# Allegro board RK_EVB1_RK3576_LP4XD200P132SD6_V12_20240530YWQ.brd (continued)
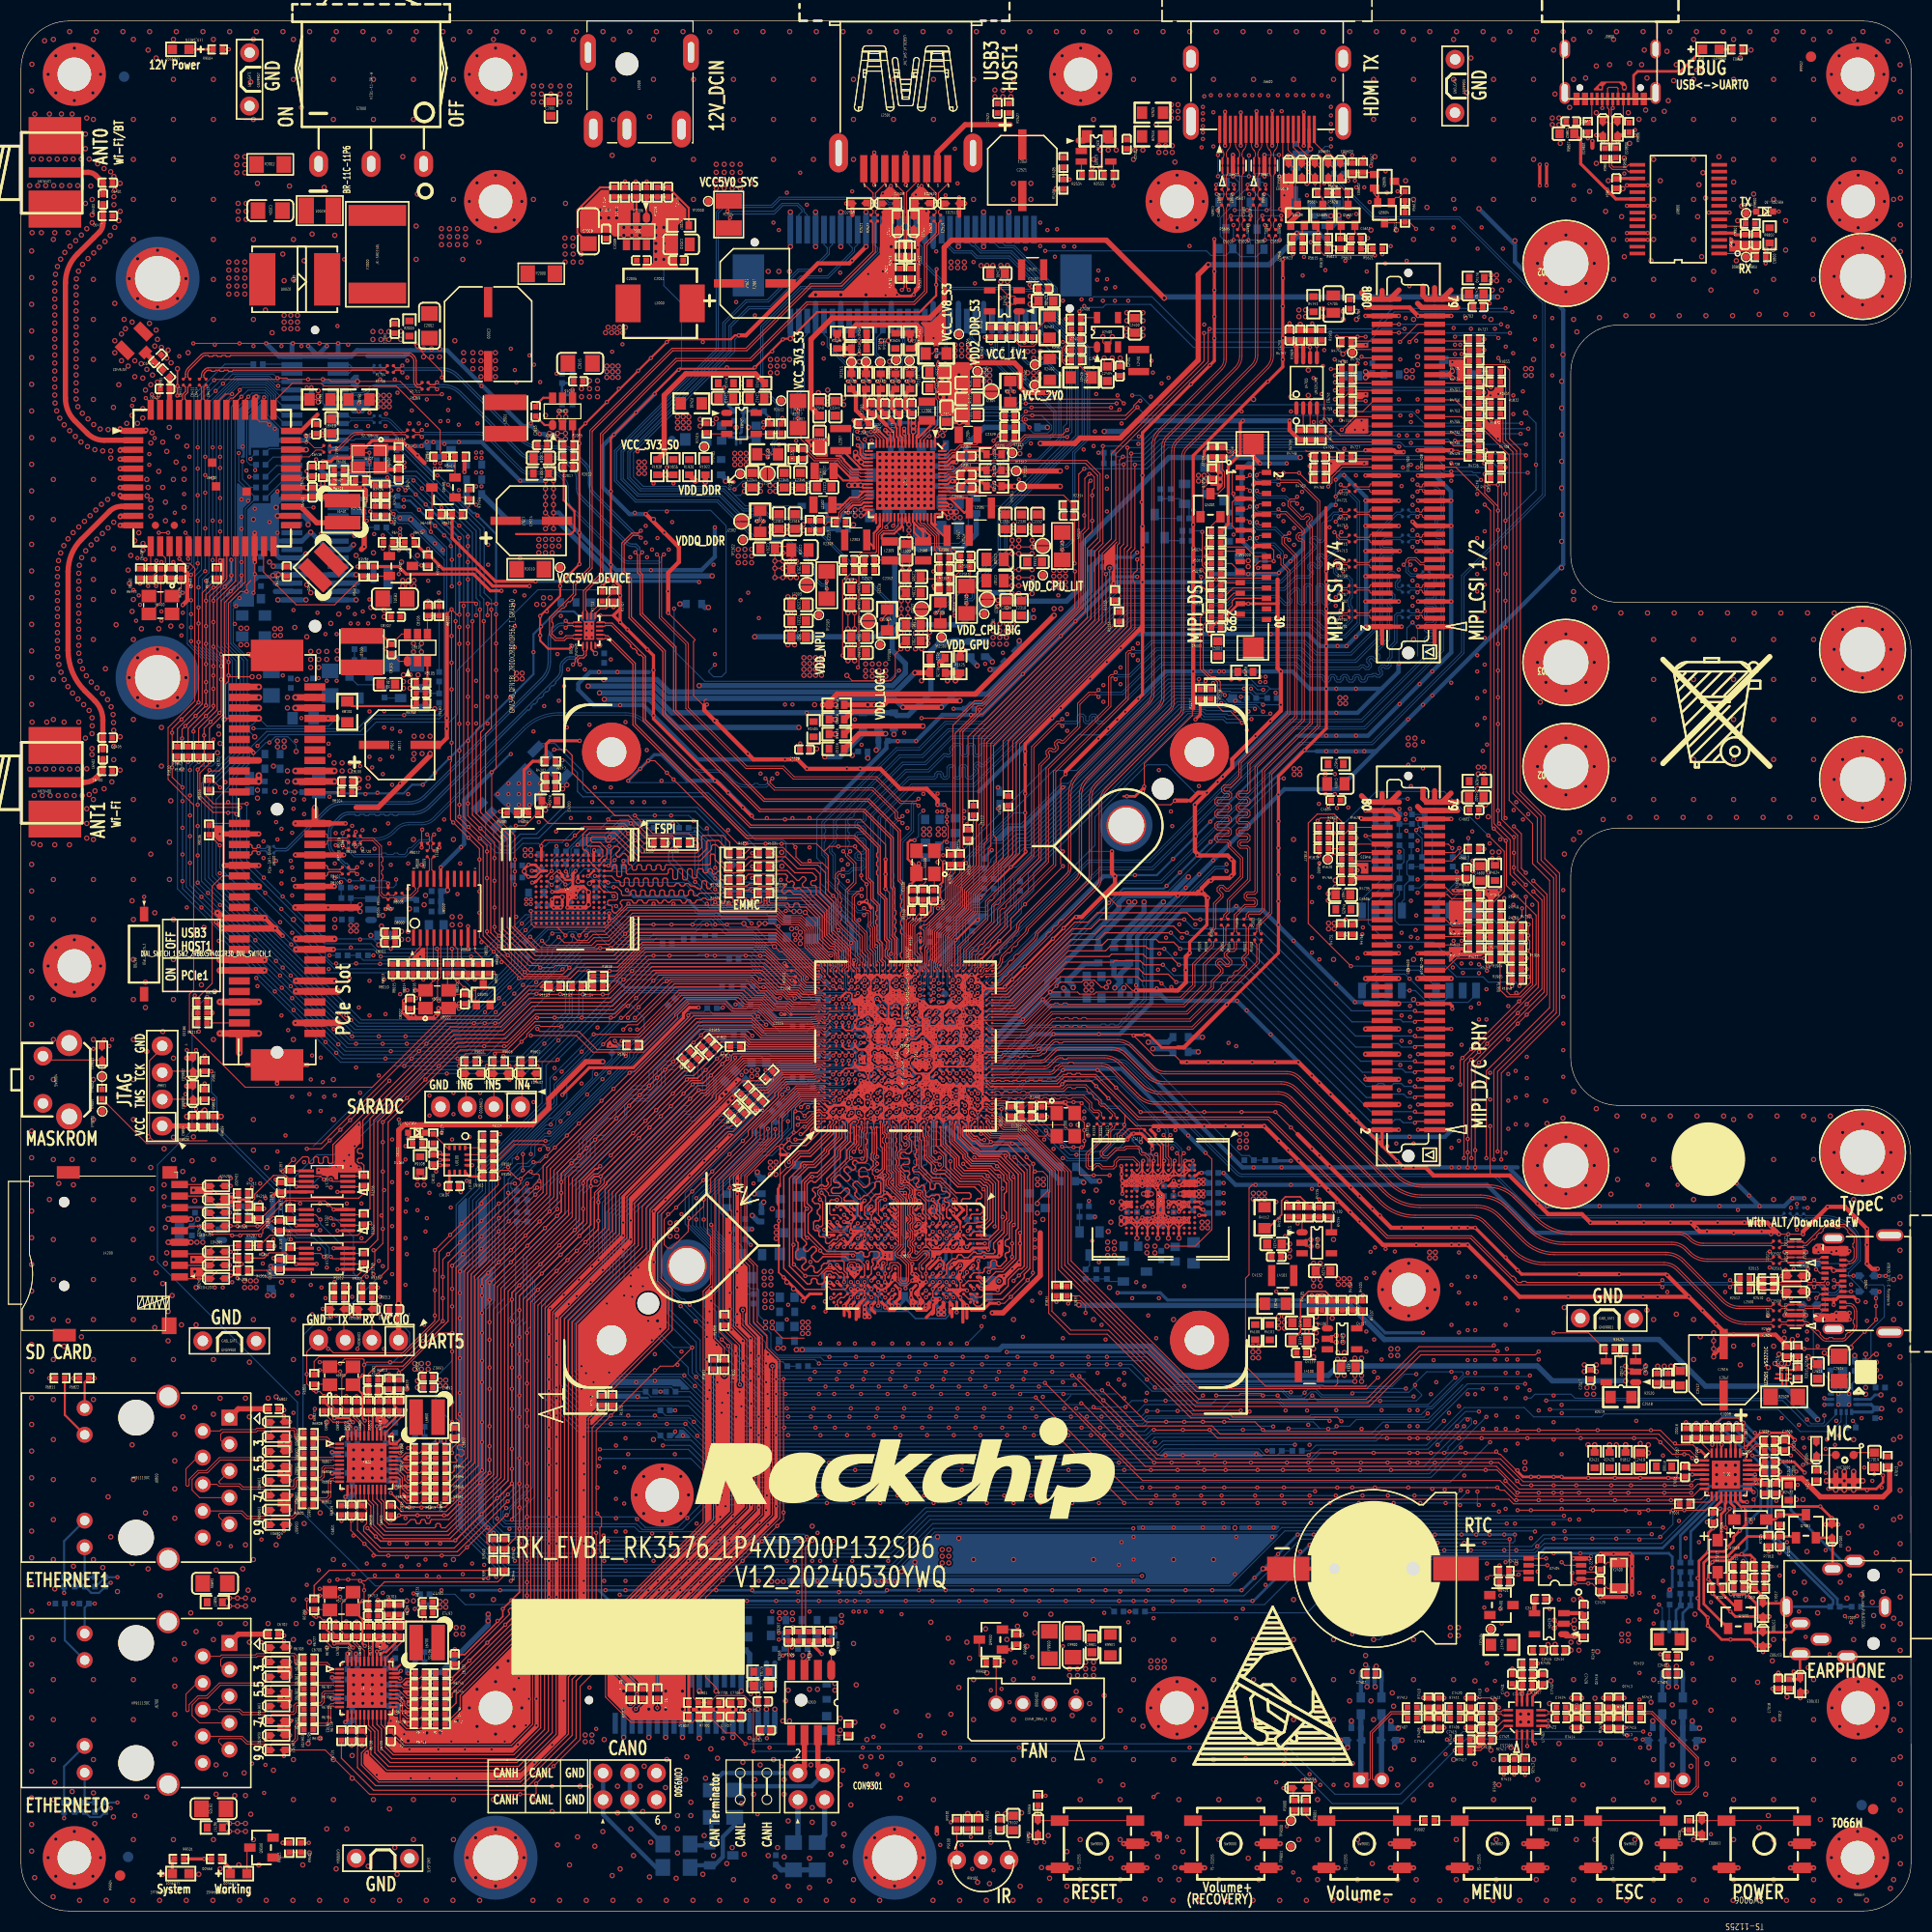
[diagram p0: board, top side]
## Routing (per net, layer and track width the routed paths; a pad name or vN(x,y) marks a point on that pad's centre or on a via; arc(x,y) is an arc through that point) (continued)
USB3_OTG0_SSTX1P/DP_TX_D1P: length 83.9
  TOP w0.098: C2509.1 166.71,57.37 163.66,57.37 arc(162.78,57.55) 162.03,58.04 158.23,61.85 arc(157.49,62.34) 156.63,62.51 146.03,62.51 arc(144.43,62.83) 143.08,63.73 140.66,66.15 arc(139.71,66.78) 138.6,67 133.23,67 arc(131.35,67.38) 129.75,68.44 120.86,77.33 arc(120.35,77.68) 119.74,77.8 108.5,77.8 arc(107.53,77.99) 106.71,78.54 106.51,78.74 104.58,80.67 arc(103.93,81.1) 103.16,81.25 99.72,81.25 99.6,81.14 99.3,81.14 99.18,81.25 98.97,81.25 arc(98.82,81.23) 98.7,81.14 97.99,80.43 arc(97.75,80.27) 97.47,80.22 92.54,80.22 U1000.AL11
USB3_OTG0_SSTX2N/DP_TX_D3N: length 83
  TOP w0.098: U1000.AK13 92.22,81.54 92.69,81.54 92.75,81.48 93.39,81.48 93.56,81.66 96.88,81.66 arc(96.98,81.68) 97.07,81.73 98.21,82.88 arc(98.35,82.97) 98.52,83 104.47,83 arc(105.23,82.85) 105.88,82.42 107.91,80.38 arc(108.39,80.06) 108.96,79.95 120.55,79.95 arc(121.23,79.82) 121.81,79.43 131.09,70.16 arc(132.19,69.42) 133.5,69.16 139.74,69.16 arc(141.15,68.88) 142.34,68.08 144.31,66.11 144.45,65.97 arc(145.9,65) 147.61,64.66 157.81,64.66 arc(158.41,64.54) 158.91,64.2 159.04,64.08 arc(159.58,63.72) 160.21,63.59 166.71,63.59 C2510.1
USB3_OTG0_SSTX2P/DP_TX_D3P: length 82.8
  TOP w0.098: U1000.AL13 92.5,81.26 93.48,81.26 93.66,81.43 94.11,81.43 94.22,81.32 94.53,81.32 94.64,81.43 94.95,81.43 95.07,81.32 95.37,81.32 95.49,81.43 95.79,81.43 95.91,81.32 96.21,81.32 96.33,81.43 96.88,81.43 arc(97.07,81.47) 97.23,81.57 97.3,81.65 97.47,81.65 97.68,81.86 97.68,82.03 98.37,82.72 arc(98.44,82.76) 98.52,82.78 98.74,82.78 98.85,82.66 99.16,82.66 99.27,82.78 104.47,82.78 arc(105.15,82.64) 105.72,82.26 107.75,80.23 arc(108.31,79.86) 108.96,79.73 120.55,79.73 arc(121.15,79.61) 121.66,79.27 130.93,70 arc(132.11,69.21) 133.5,68.93 139.74,68.93 arc(141.07,68.67) 142.19,67.92 144.15,65.95 144.3,65.81 arc(145.82,64.79) 147.61,64.44 157.81,64.44 arc(158.32,64.34) 158.76,64.05 158.88,63.92 arc(159.49,63.51) 160.21,63.37 166.71,63.37 C2511.1
USB3_PCIE1_SLOT_SEL: length 67.4
  TOP w0.102: v1(56.43,126.15) R1707.2 55.88,125.09 55.88,124.19 55.72,124.02 55.16,124.02 54.71,123.57 U1700.6 ; S1700.1 v1(11.72,96.59)
  L4-SIG w0.102: v1(11.72,96.59) 11.72,100.91 21.78,110.97 v1(22.52,110.97)
  BOTTOM w0.102: v1(56.43,126.15) 56.11,125.83 49.22,125.83 41.57,118.18 41.57,113.99 40.81,113.23 33.82,113.23 32.63,112.03 23.58,112.03 v1(22.52,110.97)
USB20_HOST_DM: length 8.5
  TOP w0.107: J2501.2 85.26,164.61 84.34,163.69 84.34,160.76 84.92,160.17 ; 84.92,160.17 ED2513.1 ; 84.92,160.17 84.45,160.17 84.34,160.06 84.34,159.24 84.5,159.07 L2501.3
USB20_HOST_DP: length 8.4
  TOP w0.107: 83.56,160.17 84.01,160.17 84.11,160.06 84.11,159.24 83.95,159.07 L2501.1 ; 83.56,160.17 ED2512.1 ; 83.56,160.17 84.11,160.73 84.11,163.65 83.26,164.5 J2501.3
USB30_HOST_SSRXN: length 5.8
  TOP w0.107: J2501.5 80.26,164.49 81.15,163.6 81.15,162.75 81.04,162.65 ED2509.1 81.15,161.93 81.15,161.71 R2521.2
USB30_HOST_SSRXP: length 5.8
  TOP w0.107: R2522.2 81.37,161.71 81.37,161.89 ED2508.1 82.09,162.65 81.48,162.65 81.37,162.75 81.37,163.6 82.26,164.49 J2501.6
USB30_HOST_SSTXN: length 5.8
  TOP w0.107: C2519.2 87.15,161.71 87.15,161.93 ED2510.1 87.04,162.65 87.15,162.75 87.15,163.6 86.26,164.49 J2501.8
USB30_HOST_SSTXP: length 5.8
  TOP w0.107: J2501.9 88.26,164.49 87.37,163.6 87.37,162.75 87.48,162.65 88.09,162.65 ED2511.1 87.37,161.89 87.37,161.71 C2520.2
USB_OTG0_PWREN_H: length 174.6
  TOP w0.102: U2502.4 150.98,53.38 R2523.1 149.29,55.06 v1(145.96,55.06) ; R1137.2 94.02,111.46 105.07,122.51 105.07,129.73 105.37,130.03 v1(105.37,139.37)
  L4-SIG w0.102: v1(142.82,140.69) 143.68,139.83 143.68,138.25 143.15,137.72 143.15,107.41 145.84,104.72 145.84,78.4 151.12,73.12 151.12,69.38 145.96,64.23 v1(145.96,55.06)
  BOTTOM w0.102: v1(142.82,140.69) 136.92,140.69 136.72,140.89 128.18,140.89 127.99,140.71 125.32,140.71 125.14,140.89 108.17,140.89 106.64,139.37 v1(105.37,139.37)
USBCC_INT_L: length 1.5
  BOTTOM w0.102: R1115.2 173.83,46.41 173.84,46.42 U2500.5
VIDEOIN_RESERVE_IO0: length 3
  TOP w0.102: R4765.2 127.3,94.4 CON4600.52
VIDEOIN_RESERVE_IO1: length 3
  TOP w0.102: R4766.2 126.84,100 CON4600.66
VMID_ES8388: length 1.8
  TOP w0.254: U7000.20 165.74,42.46 C7011.1
VREF_ES8388: length 1.9
  TOP w0.254: C7009.1 161.15,38.25 161.93,39.02 U7000.10
WIFI_PCIE0_REFCLKN: length 8.2
  TOP w0.089: R1714.2 36.6,140.61 32.04,140.61 arc(31.76,140.55) 31.53,140.4 31.23,140.1 30.27,139.14 29.6,139.14 C6417.2
WIFI_PCIE0_REFCLKP: length 8.2
  TOP w0.089: C6416.2 29.6,139.36 30.17,139.36 31.08,140.26 31.37,140.55 arc(31.68,140.76) 32.04,140.83 36.61,140.83 R1716.2
WIFI_PCIE0_RXN: length 26.7
  TOP w0.117: R1709.2 38.02,145.13 37.73,145.13 37.56,145.29 arc(37.45,145.46) 37.41,145.66 37.41,147.63 arc(37.38,147.79) 37.28,147.93 37.16,148.06 arc(37.05,148.13) 36.93,148.15 19.98,148.15 19.87,148.05 19.57,148.05 19.46,148.15 19.16,148.15 19.05,148.05 18.75,148.05 18.64,148.15 18.33,148.15 18.23,148.05 17.92,148.05 17.82,148.15 17.57,148.15 arc(17.43,148.13) 17.31,148.05 16.07,146.81 arc(15.94,146.61) 15.89,146.38 15.89,146.09 C6412.2
WIFI_PCIE0_RXP: length 26.8
  TOP w0.117: R1711.2 37.99,145.35 37.82,145.35 37.72,145.45 arc(37.66,145.55) 37.63,145.66 37.63,147.63 arc(37.58,147.88) 37.44,148.09 37.32,148.22 arc(37.14,148.34) 36.93,148.38 17.57,148.38 arc(17.34,148.33) 17.15,148.2 15.91,146.97 arc(15.73,146.7) 15.67,146.38 15.67,146.09 C6411.2
WIFI_PCIE0_TXN: length 18.6
  TOP w0.117: C6414.2 17.41,146.09 17.41,146.27 arc(17.44,146.4) 17.51,146.51 17.69,146.69 arc(17.75,146.73) 17.82,146.74 18.05,146.74 18.15,146.64 18.46,146.64 18.57,146.74 18.87,146.74 18.98,146.64 19.28,146.64 19.39,146.74 19.69,146.74 19.8,146.64 20.1,146.64 20.21,146.74 34.7,146.74 R1706.2
WIFI_PCIE0_TXP: length 18.7
  TOP w0.117: R1704.2 34.7,146.97 17.82,146.97 arc(17.66,146.94) 17.53,146.85 17.35,146.67 arc(17.23,146.49) 17.19,146.27 17.19,146.09 C6413.2
WIFI_REG_ON_H: length 107.6
  TOP w0.102: R1818.2 54,88.51 49.62,88.51 49.19,88.08 48.28,88.08 45.43,85.23 40.24,85.23 33.46,78.46 21.35,78.46 16.04,83.76 16.04,87.32 16.45,87.72 16.45,105.33 14.01,107.77 14.01,112.7 16.55,115.24 16.55,127.88 16.08,128.34 15.52,128.34 v1(15.08,128.78) 15.08,129.94 U6400.15
  L4-SIG w0.102: v1(21.86,138.29) 21.86,138.26 15.08,131.49 v1(15.08,128.78)
  BOTTOM w0.102: v1(21.86,138.29) 21.86,138.35 R6521.1
WIFI_WAKE_HOST_H: length 185.9
  TOP w0.102: U6400.16 15.95,128.81 v1(15.92,128.78)
  L4-SIG w0.102: v1(116.48,116.42) 115.73,117.16 115.73,121.97 111.29,126.42 111.29,134.32 110.3,135.31 110.3,145.51 105.93,149.88 105.93,153.7 98.48,161.15 69.14,161.15 57.55,149.56 42.66,149.56 39.98,146.88 38.65,146.88 36.52,144.75 36.52,141.77 34.52,139.77 23.83,139.77 21.82,137.76 21.82,136.66 v1(21.74,136.59) 15.92,130.77 v1(15.92,128.78)
  BOTTOM w0.102: v1(116.48,116.42) 114.1,116.42 113.78,116.1 109.75,116.1 95.83,102.18 94.87,102.18 92.64,99.95 R1118.2 ; v1(21.74,136.59) R6519.1
WIFIBT_32KIN_2T2R: length 5.3
  TOP w0.102: U6400.31 27.09,136.47 27.28,136.65 C6421.1 R6406.1 29.15,136.25 R6405.2 R6403.2
XIN_24M: length 12.7
  TOP w0.089: Y1100.3 86.15,100.11 86.15,97.99 85.89,97.73 85.64,97.73 85.38,97.48 85.38,96.75 C1101.1
  TOP w0.102: C1101.1 R1101.2 84.95,94.5 84.52,94.07 84.52,89.84 84.79,89.56 U1000.U28
XIN_WIFI: length 7.3
  TOP w0.102: U6400.13 13.25,129.35 13.76,128.85 13.76,127.37 C6408.1 13.32,124.68 Y6400.3
XOUT_24M: length 6.8
  TOP w0.089: R1100.2 85.85,96.23 R1101.1
  TOP w0.102: R1101.1 85.26,94.69 85.26,94.53 84.72,94 84.72,90.14 U1000.U29
XOUT_WIFI: length 2.2
  TOP w0.102: R6400.2 14.15,127.97 U6400.14
ZQ_A: length 1
  TOP w0.114: U1000.1R6 v1(85.16,77.88)
  BOTTOM w0.089: R1200.2 85.38,77.88 v1(85.16,77.88)
ZQ_B: length 0.9
  TOP w0.114: U1000.1J6 v1(81.59,77.91)
  BOTTOM w0.089: R1201.1 81.61,77.93 v1(81.59,77.91)
N15661080: length 2.4
  BOTTOM w0.305: C2361.2 D2301.2 76.76,132.53 R2330.1
N15663308: length 2.3
  TOP w0.102: U2300.16 81.79,140.23 81.16,140.86 v1(80.95,140.86)
  BOTTOM w0.102: v1(80.95,140.86) 80.95,141.08 TP2318.1
N16483578: length 1.2
  BOTTOM w0.254: R7401.1 129.33,31.13 C7400.2
N16483700: length 1.2
  BOTTOM w0.254: C7404.2 R7402.1
N16485789: length 1.2
  BOTTOM w0.254: C7407.2 158.03,31.13 R7403.1
N16485911: length 1.2
  BOTTOM w0.254: R7404.1 159.02,31.13 C7411.2
N16706292: length 4.1
  BOTTOM w0.102: R5023.1 111.25,133.59 Q5000.1 110.33,134.51 C5007.2 R5020.2
N16706432: length 2.5
  BOTTOM w0.102: Q5002.3 108.34,132.63 R5023.2
N16706484: length 2.7
  BOTTOM w0.102: Q5002.1 109.22,130.5 R5027.1 110.6,130.51 R5025.2
N17044498: length 6.1
  TOP w0.508: C6403.1 C6401.1 7.14,165.28 arc(6.8,165.51) 6.4,165.59 ANT6401.1
N17044505: length 28.4
  TOP w0.508: C6403.2 C6410.1 7.81,160.73 arc(7.72,160.28) 7.47,159.9 6.96,159.39 5.37,157.81 arc(4.53,156.54) 4.23,155.05 4.23,144.08 arc(4.46,142.92) 5.12,141.93 6.33,140.72 arc(7.05,140.24) 7.91,140.07 U6400.2
N17060459: length 2.5
  TOP w0.102: J9800.A5 152.6,170.87 R9806.2
N17060477: length 2.4
  TOP w0.102: R9807.2 149.6,170.69 J9800.B5
N17371483: length 1.3
  TOP w0.254: LED9800.2 R9803.1
N17371563: length 4.6
  TOP w0.102: U9800.5 163.98,160.45 R9800.2 164.24,161.63 TP9801.1 164.47,161.85 D9800.1
N17371607: length 3.7
  TOP w0.102: U9800.1 163.96,157.85 TP9800.1 R9801.2
N18403355: length 2.2
  TOP w0.305: R5614.1 v1(124.91,163.62) R5620.1
  BOTTOM w0.406: D5601.2 124.91,163.05 v1(124.91,163.62)
N18403356: length 2.3
  TOP w0.102: Q5605.2 124.43,160.34 R5613.2 R5615.2
N18403367: length 3.6
  TOP w0.102: Q5607.2 127.04,159.9 C5611.2 R5619.2 R5621.2
N18403519: length 2.3
  TOP w0.102: Q5608.2 122.02,160.34 R5622.2 122.02,158.31 R5623.2
N18403564: length 2.4
  TOP w0.102: Q5607.1 125.64,160.45 R5618.2 126.66,159.26 C5611.1
N18403582: length 2.2
  TOP w0.102: R5616.1 R5617.1 128.72,165.57 Q5606.1
N18403585: length 3.2
  TOP w0.102: Q5606.3 130.91,164.73 131.32,164.32 131.32,164.26 R5612.2 131.24,163.19 130.92,163.19 130.51,162.78 Q5604.1
N18428860: length 4.1
  TOP w0.102: R5601.2 118.22,161.12 v1(118.22,161.45) ; v1(120.02,161.45) 120.02,161.07 R5600.2
  BOTTOM w0.102: Q5600.3 117.73,160.95 v1(118.22,161.45) v1(120.02,161.45)
N18429284: length 2.8
  TOP w0.102: v1(113.82,164.39) 113.8,164.37 R5603.2 ; R5602.2 115.54,164.37 v1(115.52,164.39)
  BOTTOM w0.102: v1(115.52,164.39) 115.27,164.64 Q5601.3 114.07,164.64 v1(113.82,164.39)
N18429290: length 4.1
  TOP w0.102: R5604.2 117.11,161.11 v1(117.11,161.43) ; R5605.2 115.23,161.12 v1(115.23,161.43)
  BOTTOM w0.102: v1(117.11,161.43) v1(115.23,161.43) 114.75,160.96 Q5602.3
N18429296: length 2.8
  TOP w0.102: R5606.2 118.55,164.37 v1(118.52,164.4) ; v1(116.83,164.4) 116.8,164.37 R5607.2
  BOTTOM w0.102: v1(118.52,164.4) 118.51,164.4 118.28,164.64 Q5603.3 117.06,164.64 v1(116.83,164.4)
N18483700: length 5.6
  TOP w0.508: U6400.28 26.62,133.77 28.17,132.22 L6401.1
N18483702: length 5.1
  TOP w0.508: L6401.2 30.27,134.67 C6420.1 U6400.29
N18483764: length 2.4
  TOP w0.508: C6406.1 C6404.1 ANT6402.1
N18483767: length 3.2
  TOP w0.508: C6406.2 C6407.1 U6400.48
N18483775: length 27.5
  TOP w0.508: U6400.9 9.57,133.77 arc(8.95,133.65) 8.43,133.3 5.76,130.63 arc(4.82,129.22) 4.49,127.56 4.49,120.06 arc(4.9,117.98) 6.08,116.22 7.03,115.26 arc(7.6,114.42) 7.8,113.41 C6405.2 C6402.2
N18483793: length 3
  TOP w0.102: R6400.1 C6409.1 15.25,126.11 Y6400.1
N18669719: length 2
  TOP w0.254: R7008.1 C7015.1 R7007.2
N18671983: length 3.4
  TOP w0.254: R7012.2 169.38,22.07 ED7003.1 169.43,22.14 J7000.6
N19347246: length 2.6
  TOP w0.089: R1100.1 C1100.1 86.98,97.26 Y1100.1
N19625788: length 1
  TOP w0.102: U1000.1B21 v1(77.34,86.87)
  BOTTOM w0.114: R1353.1 77.26,86.79 v1(77.34,86.87)
N19625800: length 1.8
  TOP w0.114: U1000.1G23 v1(80.34,88.07)
  BOTTOM w0.114: v1(80.34,88.07) 80,88.4 80,89.05 R1310.1
N19628194: length 17.7
  TOP w0.102: U1000.1D18 v1(78.54,85.07)
  BOTTOM w0.102: v1(78.54,85.07) 78.41,85.07 77.81,85.67 73.51,85.67 72.78,86.4 72.06,86.4 71.44,87.02 68.85,87.02 68.67,87.19 62.6,87.19 R1911.1
N19628195: length 5.8
  TOP w0.089: U1000.1E15 v1(79.14,83.27)
  BOTTOM w0.102: R1949.1 74.64,84.51 76.86,84.51 77.32,84.05 78.36,84.05 v1(79.14,83.27)
N19628229: length 3.9
  TOP w0.102: v1(79.44,79.2) U1000.1E7
  BOTTOM w0.102: R1951.1 76.33,78.45 78.42,78.45 78.78,78.81 79.05,78.81 v1(79.44,79.2)
N19628230: length 1
  TOP w0.102: U1000.1B12 v1(77.34,81.47)
  BOTTOM w0.102: v1(77.34,81.47) 77.3,81.43 R1952.1
N19628231: length 3.8
  TOP w0.102: U1000.1B7 v1(77.64,79.2)
  BOTTOM w0.102: R1953.1 74.48,79.45 76.88,79.45 77.12,79.2 v1(77.64,79.2)
N19907553: length 2.4
  TOP w0.102: U2403.4 71.27,140.68 R2412.2 R2414.1
N19907557: length 1.9
  TOP w0.102: R2415.1 65.42,140.68 U2403.3
N20226536: length 4
  TOP w0.102: R9100.2 R9101.2 89.12,7.78 IR9100.1
N20896547: length 3
  BOTTOM w0.102: U8001.3 33.25,96.47 R8035.2 R8036.1
N20896553: length 1.6
  BOTTOM w0.406: U8001.4 37.55,96.38 C8009.1
N21004058: length 2.8
  TOP w0.102: Y1300.1 98.65,76.09 98.14,76.6 C1301.1 R1300.2
N21504287: length 6.1
  TOP w0.508: ANT6400.1 6.04,107.5 arc(6.67,107.62) 7.2,107.98 C6400.2 C6402.1
N21605064: length 2.6
  TOP w0.102: Q9500.3 21.52,5.76 LED9500.2
N21735612: length 1.3
  TOP w0.102: U2503.3 100.99,165.4 R2534.1
N21863806: length 1.8
  TOP w0.305: R9500.2 19.92,4.07 LED9500.1
N21902615: length 1.3
  TOP w0.203: U3800.A5 v1(91.8,63.57)
  BOTTOM w0.203: R3802.2 v1(91.8,63.57)
N21902619: length 1.2
  TOP w0.203: v1(91.17,61.9) 91.17,61.87 91.17,61.87 91.17,61.27 U3800.A8
  BOTTOM w0.203: v1(91.17,61.9) 91.17,61.92 91.27,62.02 R3804.2
N21903225: length 2.8
  TOP w0.127: v1(51.89,99) 52.05,98.84 U4000.H5
  BOTTOM w0.114: R4004.2 52.91,100.76 R4005.1 v1(51.89,99)
N22358067: length 4
  TOP w0.102: U2405.1 150.19,31.63 C2420.2 151.11,30.71 Y2400.1
N22358147: length 4
  TOP w0.102: U2405.2 150.17,32.28 C2422.2 151.1,33.21 Y2400.2
N22367430: length 1.2
  TOP w0.102: R2524.1 153.78,53.45 U2502.3
N22367501: length 1.4
  TOP w0.107: L2500.4 165.42,59.47 165.26,59.64 165.01,59.64 R2512.2
N22367504: length 1.4
  TOP w0.107: R2513.2 165.01,59.86 165.26,59.86 165.42,60.02 L2500.2
N22367533: length 1.3
  TOP w0.107: R2530.2 84.11,156.82 84.11,156.98 83.95,157.14 L2501.2
N22367536: length 1.3
  TOP w0.107: L2501.4 84.5,157.14 84.34,156.98 84.34,156.82 R2531.2
N22367651: length 1.7
  BOTTOM w0.305: U2500.13 173.84,50.62 173.65,50.62 173.34,50.31 U2500.12
N22631222: length 1.6
  TOP w0.254: v1(112.59,66.8) 112.44,66.8 112.19,67.05 U4100.A9
  BOTTOM w0.305: v1(112.59,66.8) 112.91,66.48 C4121.1
N22631304: length 1.5
  TOP w0.254: U4100.A3 111.93,70.05 112.18,70.3 v1(112.42,70.3)
  BOTTOM w0.305: C4122.1 113.11,70.31 112.43,70.31 v1(112.42,70.3)
N22631340: length 1.4
  TOP w0.254: U4100.A8 112.27,67.55 v1(112.39,67.42)
  BOTTOM w0.305: v1(112.39,67.42) 112.4,67.43 C4123.1
N22847211: length 4.1
  TOP w0.508: C6702.1 20.69,26.36 J6700.1
N22847339: length 6.2
  BOTTOM w0.203: R6711.2 4.17,25.78 J6700.12
N22847343: length 3.8
  BOTTOM w0.203: J6700.14 6.06,10.36 R6714.2 R6712.2
N22847361: length 7.2
  BOTTOM w0.203: R6715.2 R6716.2 4.1,13.76 J6700.13
N22908541: length 4.1
  TOP w0.508: C6802.1 20.69,47.82 J6800.1
N22908545: length 6.2
  TOP w0.203: J6800.12 4.17,47.24 R6811.2
N22908547: length 3.8
  BOTTOM w0.203: R6812.2 R6814.2 6.06,31.82 J6800.14
N22908550: length 7.2
  BOTTOM w0.203: J6800.13 4.1,35.23 R6816.2 R6815.2
N23443278: length 4.2
  TOP w0.254: Q7000.3 163.15,29.11 161.98,30.28 R7006.1 161.58,31.17 C7012.2
N23443310: length 17.1
  TOP w0.254: Q7001.1 168.92,35.67 C7016.1 R7010.2 164.41,35.67 162.45,33.7 160.8,33.7 160.27,33.17 160.27,29.23 Q7000.1
N23443315: length 4
  TOP w0.254: Q7001.3 167.52,37.75 R7005.1 167.06,37.28 C7013.2
N23447614: length 2.7
  TOP w0.102: U7000.8 161.03,39.14 160.82,38.93 159.02,38.93 R7001.2
N25539706: length 3.9
  TOP w0.102: U9300.4 73.08,23.23 C9307.1 R9308.2
N25926882: length 2.6
  TOP w0.102: R2406.2 C2409.1 95.06,151.06 U2401.1
N25926888: length 3.5
  TOP w0.102: C2402.2 R2403.2 R2407.1 92.26,150.91 U2401.5
N26170680: length 3.5
  TOP w0.102: R4728.2 136.43,139.53 136.04,139.92 CON4700.45
N26170681: length 3.4
  TOP w0.102: R4729.2 136.68,140.55 136.51,140.72 CON4700.47
N26170683: length 3.6
  TOP w0.102: CON4700.51 137.18,142.32 R4730.2
N26170688: length 10.6
  TOP w0.508: 136.82,152.72 CON4700.77 133.4,152.72 133.01,153.11 ; 135.32,153.52 136.18,154.38 ; 135.32,153.52 CON4700.79 ; 135.32,153.52 136.82,153.52 ; CON4700.79 134.63,154.6 ; CON4700.79 133.87,153.52 133.52,153.87 133.52,154.76
N26170689: length 3.4
  TOP w0.102: R4734.2 137.68,147.92 CON4700.65
N26170694: length 3.3
  TOP w0.102: R4736.2 137.89,148.72 CON4700.67
N26170696: length 3.4
  TOP w0.102: R4737.2 137.77,149.52 134.64,149.52 CON4700.69
N26170702: length 2.3
  TOP w0.406: 135.98,146.32 v2(136.31,146.65) ; 135.98,146.32 136.01,146.32 v2(136.31,146.01) ; 135.98,146.32 CON4700.61
N26170709: length 2.1
  TOP w0.508: CON4700.62 128.34,146.32 ; 128.34,146.32 v2(128.06,146.59) ; 128.34,146.32 v2(128.06,146.04)
N26170720: length 5.9
  TOP w0.508: CON4700.80 128.28,153.52 127.68,154.12 ; CON4700.80 130.37,153.52 ; CON4700.80 129.63,154.33 ; 131.23,154.38 130.37,153.52 ; 130.37,153.52 131.26,153.52
N26170731: length 3.9
  TOP w0.102: CON4700.55 136.6,143.92 R4732.2
N26170771: length 54.3
  TOP w0.102: v1(125.78,141.07) 127.03,142.32 CON4700.52 ; R4731.1 125.7,93.98 v1(126.15,94.43)
  L4-SIG w0.102: v1(125.78,141.07) 125.78,140.03 126.79,139.02 126.79,107.01 123.87,104.09 123.87,102.05 124.63,101.29 124.63,99.27 126.15,97.75 v1(126.15,94.43)
N26170778: length 55
  TOP w0.102: CON4700.66 127.79,147.92 v1(127.68,148.03) ; R4735.1 v1(127.29,99.12)
  L4-SIG w0.102: v1(127.68,148.03) 127.19,148.03 126.79,147.63 126.79,144.47 128.69,142.57 128.69,106.24 125.52,103.07 125.52,100.89 v1(127.29,99.12)
N26170844: length 3.4
  TOP w0.102: CON4700.41 137.74,138.32 R4726.2
N26174755: length 3
  TOP w0.102: CON4700.42 126.84,138.32 R4727.1
N26174908: length 3.4
  TOP w0.102: CON4700.56 128.9,143.92 127.78,142.79 R4733.1
N27106033: length 1.8
  TOP w0.102: R1712.2 54.31,123.68 U1700.7
N27236900: length 3.4
  TOP w0.102: CON4600.45 137.68,92 R4611.2
N27236901: length 3.3
  TOP w0.102: R4612.2 137.89,92.8 CON4600.47
N27236903: length 3.6
  TOP w0.102: CON4600.51 135.7,94.4 136.33,93.78 R4613.2
N27236908: length 10.6
  TOP w0.508: 133.01,105.2 133.4,104.8 CON4600.77 136.82,104.8 ; CON4600.79 133.87,105.6 133.52,105.96 133.52,106.85 ; CON4600.79 134.63,106.69 ; CON4600.79 135.32,105.6 ; 135.32,105.6 136.18,106.47 ; 135.32,105.6 136.82,105.6
N27236909: length 3.8
  TOP w0.102: R4617.2 137.44,101.14 136.3,100 CON4600.65
N27236910: length 4.7
  TOP w0.102: CON4600.57 135.84,96.8 136.24,96.41 137.34,96.41 R4614.2 R4615.2
N27236914: length 3.5
  TOP w0.102: v1(136.97,101.23) 136.54,100.8 CON4600.67
  BOTTOM w0.102: v1(136.97,101.23) 136.97,100.77 R4618.2
N27236916: length 2.7
  TOP w0.102: v1(136.31,101.23) 135.94,101.6 CON4600.69
  BOTTOM w0.102: R4619.2 136.35,101.19 v1(136.31,101.23)
N27236922: length 3.1
  TOP w0.508: CON4600.61 134.64,98.39 137.63,98.39 137.65,98.37 C4601.1
N27236930: length 3.1
  TOP w0.508: C4606.1 126.96,98.4 CON4600.62
N27236940: length 5.9
  TOP w0.508: CON4600.80 128.28,105.6 127.68,106.21 ; CON4600.80 130.37,105.6 ; CON4600.80 129.63,106.42 ; 130.37,105.6 131.26,105.6 ; 130.37,105.6 131.23,106.47
N27236955: length 3.6
  TOP w0.102: CON4600.59 135.55,97.6 136.33,96.83 R4616.2
N27729467: length 6.6
  BOTTOM w0.102: R8113.2 C8110.2 31.76,118.4 31.29,117.93 Q8100.1 31.29,117.54 32.04,116.78 34.31,116.78 R8115.1
N27729468: length 3.1
  TOP w0.102: U8100.B31 17.74,84.58 R8111.2
N27729484: length 2.8
  BOTTOM w0.102: Q8101.1 38.46,116.46 38.96,115.96 R8118.1 R8117.2
N27729517: length 5.1
  TOP w0.102: C8103.2 36.25,121.62 U8101.6
  TOP w0.203: C8103.2 34.48,121.44 L8100.1
N27729534: length 1.8
  TOP w0.102: C8103.1 36,119.02 U8101.1
N27729543: length 2.8
  TOP w0.102: U8101.4 38.71,123.31 C8106.1 R8102.2
N27729546: length 4.1
  TOP w0.203: R8101.2 C8104.2 R8105.1 38.71,117.13 U8101.3
N27738708: length 1.6
  BOTTOM w0.102: Q8101.3 34.68,115.51 R8115.2
N28024952: length 10.5
  TOP w0.102: R9000.2 121.28,8.94 TP9000.1 SW9000.2 SW9000.3
N28024963: length 10.8
  TOP w0.102: R9005.2 96.83,10.04 ED9002.1 SW9005.3 SW9005.2
N28024980: length 10.8
  TOP w0.102: SW9006.2 SW9006.3 ED9003.1 R9006.2
N28024997: length 12.1
  TOP w0.102: R9002.1 SW9001.2 SW9001.3 122.85,8.61 122.37,9.09 R9001.2
N28025008: length 11.8
  TOP w0.102: R9002.2 SW9002.3 SW9002.2 R9003.1
N28025020: length 9.6
  TOP w0.102: SW9003.2 SW9003.3 R9003.2
N28025034: length 8.6
  TOP w0.102: R9004.2 TP9002.1 7.71,81.03 ED9001.1 2.46,81.05 SW9004.1
N28026868: length 2.1
  TOP w0.102: MIC7000.1 174.77,43.66 C7019.1
N28185677: length 2.6
  TOP w0.102: U2400.1 101.19,148.95 C2408.1 R2405.2
N28185687: length 3.5
  TOP w0.102: C2403.2 R2404.2 R2408.1 101.04,151.75 U2400.5
N28229495: length 4.1
  TOP w0.203: R2005.2 R2008.1 C2012.1 58.61,163.19 U2000.2
N28229497: length 4
  TOP w0.203: C2006.2 R2006.2 R2009.1 59.56,163.22 U2000.1
N28240818: length 2.1
  TOP w0.203: 48.89,143.27 49.74,144.12 U2001.6
N28240876: length 2
  TOP w0.203: C2013.2 49.87,141.52 U2001.1
N28241009: length 4.4
  TOP w0.254: U2001.4 v1(52.53,144.9)
  BOTTOM w0.254: R2016.2 R2011.2 R2014.1 C2020.1 v1(52.53,144.9)
N28241013: length 4
  TOP w0.203: U2001.3 52.59,141.46 R2015.1 R2012.2 C2017.2
N28249989: length 3.9
  TOP w0.102: R9900.2 92.87,23.61 CON9900.4
N28324558: length 1.9
  BOTTOM w0.102: U4200.3 18.55,65.89 17.93,66.51 R4203.1
N29370316: length 4
  TOP w0.102: R9313.2 ED9303.1 CON9304.2
N29370353: length 4.1
  TOP w0.102: CON9304.3 30.75,54.5 ED9302.1 R9314.2
N29404220: length 2.8
  TOP w0.102: Q9500.1 25.04,5.09 R9503.1 R9502.2
N29548779: length 3.3
  TOP w0.203: C2515.1 R2518.1 R2515.1 169.03,51.53 U2501.C1
N29652995: length 1.9
  TOP w0.254: C9103.1 42.7,69.96 U9100.11
N29797204: length 10
  TOP w0.152: C4118.1 121.86,55.15 121.86,58.26 122.61,59.02 124.23,59.02 124.87,58.38 R4104.1 R4103.1 C4117.1
N29797351: length 2.9
  TOP w0.102: U4101.1 124.42,56.71 R4106.1 R4105.2
N29797357: length 5
  TOP w0.152: R4104.2 R4103.2 C4117.2 R4107.1 127.78,55.8 127.47,55.49 U4101.5
N29797633: length 3.5
  TOP w0.152: R4113.2 C4130.2 R4114.1 124.81,65.92 U4102.5
N29801091: length 3.7
  BOTTOM w0.102: R4110.1 R4109.2 C4125.2 103.66,59.95 Q4100.1
N29801183: length 1.5
  BOTTOM w0.102: R4110.2 101.77,61.48 Q4101.3
N29801225: length 2.5
  BOTTOM w0.102: Q4101.1 100.82,66.1 C4128.1 R4111.2
N29873292: length 2.7
  BOTTOM w0.102: U4200.4 21.89,66.21 R4202.1 R4201.2
N29928807: length 2.2
  TOP w0.102: U6400.19 18.61,129.93 18.61,127.88 R6401.2
N30210978: length 6.9
  BOTTOM w0.102: R1839.1 R1840.1 131.99,99.94 131.99,98.76 R1841.1 131.74,97.66 131.74,96.34 131.52,96.11 SW1800.8
N30211043: length 7.9
  BOTTOM w0.102: SW1800.6 128.98,95.86 129.83,96.72 130.47,96.72 130.72,96.97 130.72,97.79 R1847.1 R1844.1 131.7,99.9 131.7,101.07 R1843.1
N30211111: length 7.9
  BOTTOM w0.102: SW1800.5 127.71,96.37 129.68,98.34 R1852.1 130.18,98.34 130.6,98.75 130.6,99.9 R1850.1 R1849.1
N30279606: length 3.6
  BOTTOM w0.102: R3811.1 C3845.1 R3810.2 68.07,63.87 68.68,63.26 Q3800.1
N30279662: length 1.8
  BOTTOM w0.102: R3811.2 69.13,66.07 Q3801.3
N30315765: length 8.8
  TOP w0.102: U8000.5 39.97,88.9 39.66,88.59 39.66,87.07 38.58,85.99 Y8000.1 38.46,85.92 C8002.1
N30315801: length 3.4
  TOP w0.102: R8019.1 40.62,87.79 Y8000.3 41.11,87.3 C8003.1
N30315805: length 2.5
  TOP w0.102: R8019.2 40.62,92.7 U8000.6
N30315903: length 3
  TOP w0.102: R8029.1 43.23,91.45 U8000.10
N30317722: length 1.3
  TOP w0.102: Q8000.3 44.02,88.78 R8028.2
N30401664: length 7.8
  BOTTOM w0.406: R9301.2 67.97,8.18 66.84,7.06 66.84,5.15 66.04,4.35 ED9300.1 63.92,4.35 R9315.1
N30401678: length 4.7
  BOTTOM w0.406: R9316.1 63.85,6.25 ED9300.2 65.75,6.41 R9302.2
N30528799: length 1.5
  TOP w0.305: LED9501.1 14.41,4.77 R9501.2
N30581382: length 3.1
  TOP w0.406: U2404.3 148.66,28.36 C2416.1 R2418.2
N30581388: length 1.4
  TOP w0.406: U2404.4 144.14,29.59 C2417.1
N30718271: length 4.7
  TOP w0.102: v1(132.88,102.94) 133.15,103.2 CON4600.73
  BOTTOM w0.102: v1(132.88,102.94) 132.88,102.69 133.43,102.14 R4622.2
N30718340: length 3.1
  TOP w0.102: CON4600.70 127.12,101.6 R4620.1
N30718343: length 4
  TOP w0.102: CON4600.72 v1(128.06,102.4)
  BOTTOM w0.102: R4621.1 128.99,101.47 v1(128.06,102.4)
N30718350: length 4.3
  TOP w0.102: CON4600.74 R4628.1 125.78,102.3 R4623.1
N31011189: length 3.2
  BOTTOM w0.102: 25.81,126.47 CON6500.5
  BOTTOM w0.508: 24.22,125.67 25.8,125.67 CON6500.3 ; 24.22,126.47 25.81,126.47
N31011623: length 3.7
  BOTTOM w0.508: 32.04,126.47 30.21,126.47 CON6500.6 ; 32.04,125.67 30.21,125.67 CON6500.4
N31051397: length 2.8
  BOTTOM w0.102: CON6500.57 25.81,147.27 25.76,147.32 R6500.1
N31339553: length 3.3
  BOTTOM w0.254: R2411.2 R2416.2 R2413.1 68.62,141.73 68.62,140.85 U2402.B2
N31344489: length 2
  BOTTOM w0.406: FB7400.1 127.62,20.36 U7400.8
N31344544: length 2.1
  BOTTOM w0.102: U7400.2 128.27,29.14 C7401.2
